# Altium PCB BloopPadMaxx_00.PcbDoc (part 3 of 3)
Units mm, origin at the board's own origin, x right, y up, seen from the top; angles counter-clockwise.
Board outline 209 x 212 mm, 2 copper layers (Top Layer, Bottom Layer), stack 1.571 mm thick; 206 components, 154 nets, 793 pads, 455 vias.
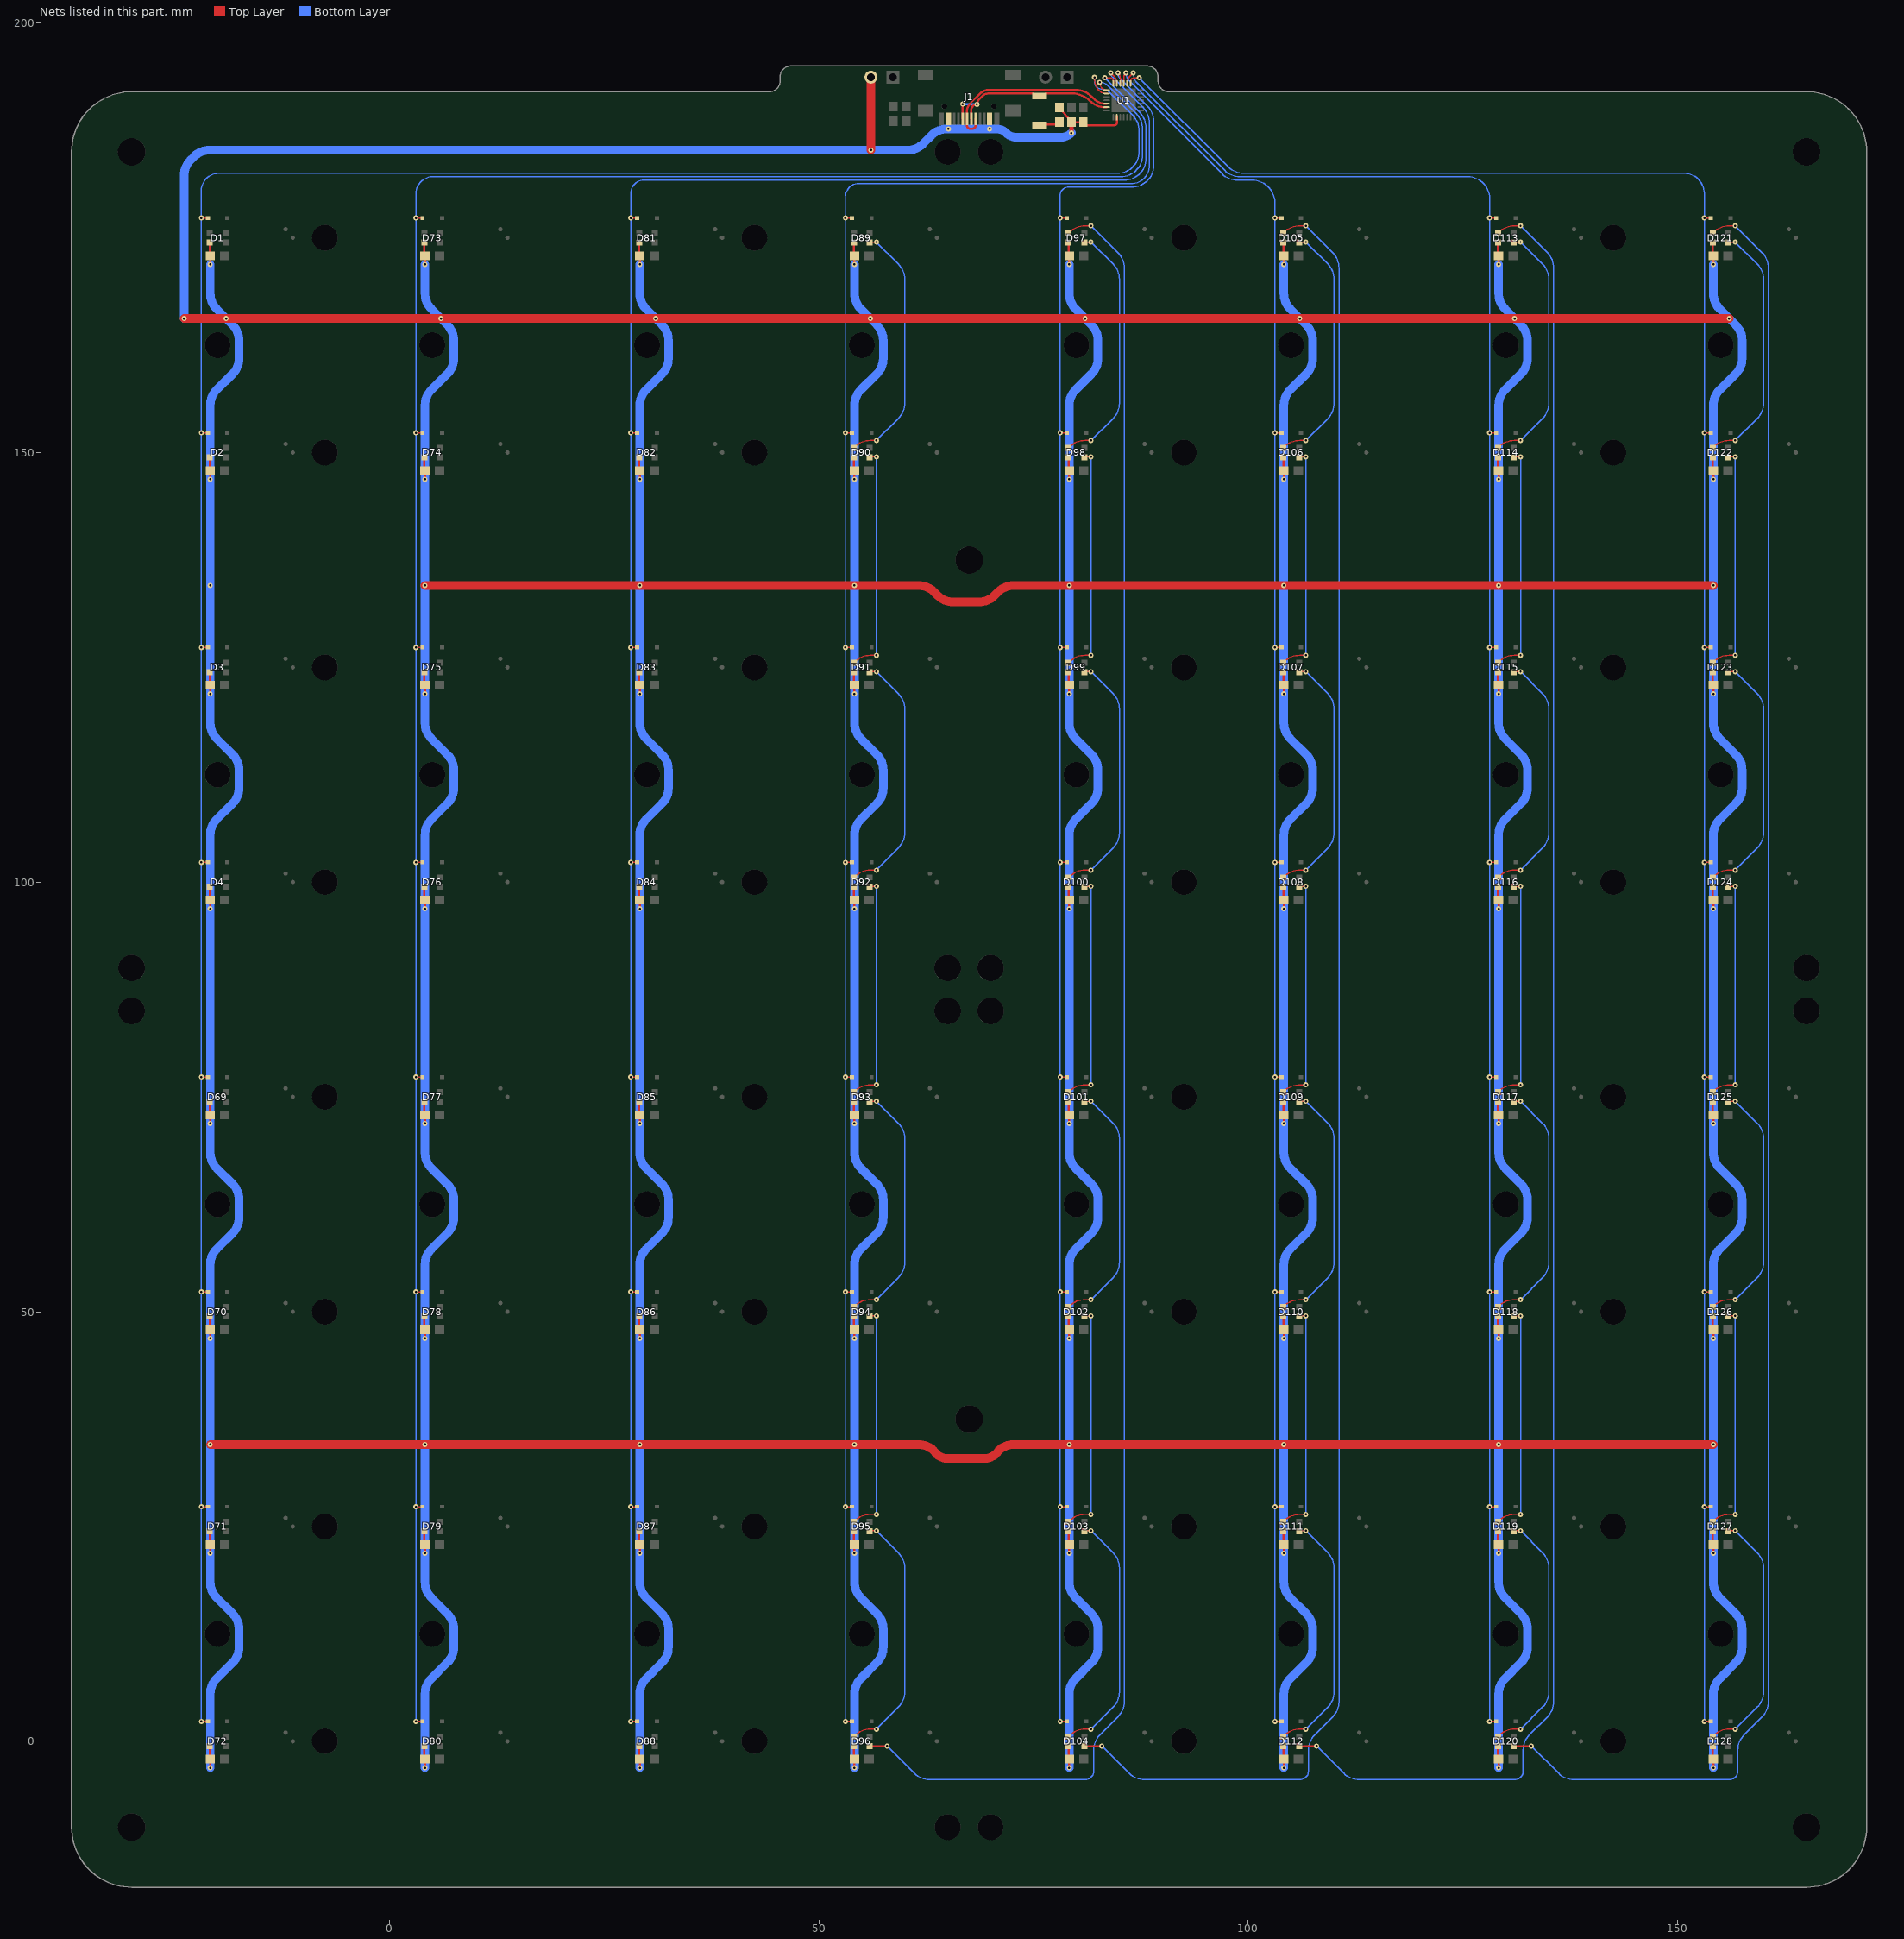
[diagram p3: the nets of this part, all layers, seen from the top]

## Via types
v1: diameter 0.6, hole 0.25, Top Layer to Bottom Layer, 455 vias

## Nets (pads, with @x,y where several pads share a name; then routed paths per layer and width w, separated by ;. In a path a pad name is that pad's centre, name@x,y a point inside that pad or via, vN(x,y) a via of type N, cw(c..) or ccw(c..) an arc to the next point about the centre after c; other vN are vias at no path point) (continued)
NetD89_1: D89.1 D90.3 | length 29.3
  Top Layer w0.15: D90.3@54.085,150.55 54.191,150.656 cw(c55.987,148.86) 55.987,151.4 v1(56.7,151.4) ; D89.1@55.915,174.45 55.965,174.5 v1(56.7,174.5)
  Bottom Layer w0.15: v1(56.7,151.4) 59.256,153.956 ccw(c57.46,155.752) 60,155.752 60,170.148 ccw(c57.46,170.148) 59.256,171.944 v1(56.7,174.5)
NetD90_1: D90.1 D91.3 | length 26.8
  Top Layer w0.15: D91.3@54.085,125.55 54.191,125.656 cw(c55.987,123.86) 55.987,126.4 v1(56.7,126.4) ; D90.1@55.915,149.45 55.965,149.5 v1(56.7,149.5)
  Bottom Layer w0.15: v1(56.7,126.4) v1(56.7,149.5)
NetD91_1: D91.1 D92.3 | length 29.3
  Top Layer w0.15: D92.3@54.085,100.55 54.191,100.656 cw(c55.987,98.86) 55.987,101.4 v1(56.7,101.4) ; D91.1@55.915,124.45 55.965,124.5 v1(56.7,124.5)
  Bottom Layer w0.15: v1(56.7,101.4) 59.256,103.956 ccw(c57.46,105.752) 60,105.752 60,120.148 ccw(c57.46,120.148) 59.256,121.944 v1(56.7,124.5)
NetD92_1: D92.1 D93.3 | length 26.8
  Top Layer w0.15: D93.3@54.085,75.55 54.191,75.656 cw(c55.987,73.86) 55.987,76.4 v1(56.7,76.4) ; D92.1@55.915,99.45 55.965,99.5 v1(56.7,99.5)
  Bottom Layer w0.15: v1(56.7,76.4) v1(56.7,99.5)
NetD93_1: D93.1 D94.3 | length 29.3
  Top Layer w0.15: D94.3@54.085,50.55 54.191,50.656 cw(c55.987,48.86) 55.987,51.4 v1(56.7,51.4) ; D93.1@55.915,74.45 55.965,74.5 v1(56.7,74.5)
  Bottom Layer w0.15: v1(56.7,51.4) 59.256,53.956 ccw(c57.46,55.752) 60,55.752 60,70.148 ccw(c57.46,70.148) 59.256,71.944 v1(56.7,74.5)
NetD94_1: D94.1 D95.3 | length 26.8
  Top Layer w0.15: D95.3@54.085,25.55 54.191,25.656 cw(c55.987,23.86) 55.987,26.4 v1(56.7,26.4) ; D94.1@55.915,49.45 55.965,49.5 v1(56.7,49.5)
  Bottom Layer w0.15: v1(56.7,26.4) v1(56.7,49.5)
NetD95_1: D95.1 D96.3 | length 29.3
  Top Layer w0.15: D96.3@54.085,0.55 54.191,0.656 cw(c55.987,-1.14) 55.987,1.4 v1(56.7,1.4) ; D95.1@55.915,24.45 55.965,24.5 v1(56.7,24.5)
  Bottom Layer w0.15: v1(56.7,1.4) 59.256,3.956 ccw(c57.46,5.752) 60,5.752 60,20.148 ccw(c57.46,20.148) 59.256,21.944 v1(56.7,24.5)
NetD96_1: D96.1 D97.3 | length 216.5
  Top Layer w0.15: D96.1@55.915,-0.55 v1(57.95,-0.55) ; D97.3@79.191,175.656 cw(c80.987,173.86) 80.987,176.4 ; D97.3@79.191,175.656 cw(c80.987,173.86) 80.987,176.4 ; D97.3@79.191,175.656 D97.3@79.085,175.55 D97.3@79.191,175.656 ; 80.987,176.4 v1(81.7,176.4) 80.987,176.4
  Bottom Layer w0.15: v1(57.95,-0.55) 61.122,-3.722 ccw(c62.918,-1.926) 62.918,-4.466 81.034,-4.466 ccw(c81.034,-3.5) 82,-3.5 82,-1.052 cw(c84.54,-1.052) 82.744,0.744 84.816,2.816 ccw(c83.02,4.612) 85.56,4.612 85.56,171.488 ccw(c83.02,171.488) 84.816,173.284 v1(81.7,176.4)
  other v1: 81.7,176.4
NetD97_1: D97.1 D98.3 | length 29.3
  Top Layer w0.15: D98.3@79.085,150.55 79.191,150.656 cw(c80.987,148.86) 80.987,151.4 v1(81.7,151.4) ; D97.1@80.915,174.45 80.965,174.5 v1(81.7,174.5)
  Bottom Layer w0.15: v1(81.7,151.4) 84.256,153.956 ccw(c82.46,155.752) 85,155.752 85,170.148 ccw(c82.46,170.148) 84.256,171.944 v1(81.7,174.5)
NetD98_1: D98.1 D99.3 | length 26.8
  Top Layer w0.15: D99.3@79.085,125.55 79.191,125.656 cw(c80.987,123.86) 80.987,126.4 v1(81.7,126.4) ; D98.1@80.915,149.45 80.965,149.5 v1(81.7,149.5)
  Bottom Layer w0.15: v1(81.7,126.4) v1(81.7,149.5)
NetD99_1: D99.1 D100.3 | length 29.3
  Top Layer w0.15: D100.3@79.085,100.55 79.191,100.656 cw(c80.987,98.86) 80.987,101.4 v1(81.7,101.4) ; D99.1@80.915,124.45 80.965,124.5 v1(81.7,124.5)
  Bottom Layer w0.15: v1(81.7,101.4) 84.256,103.956 ccw(c82.46,105.752) 85,105.752 85,120.148 ccw(c82.46,120.148) 84.256,121.944 v1(81.7,124.5)
NetD100_1: D100.1 D101.3 | length 26.8
  Top Layer w0.15: D101.3@79.085,75.55 79.191,75.656 cw(c80.987,73.86) 80.987,76.4 v1(81.7,76.4) ; D100.1@80.915,99.45 80.965,99.5 v1(81.7,99.5)
  Bottom Layer w0.15: v1(81.7,76.4) v1(81.7,99.5)
NetD101_1: D101.1 D102.3 | length 29.3
  Top Layer w0.15: D102.3@79.085,50.55 79.191,50.656 cw(c80.987,48.86) 80.987,51.4 v1(81.7,51.4) ; D101.1@80.915,74.45 80.965,74.5 v1(81.7,74.5)
  Bottom Layer w0.15: v1(81.7,51.4) 84.256,53.956 ccw(c82.46,55.752) 85,55.752 85,70.148 ccw(c82.46,70.148) 84.256,71.944 v1(81.7,74.5)
NetD102_1: D102.1 D103.3 | length 26.8
  Top Layer w0.15: D103.3@79.085,25.55 79.191,25.656 cw(c80.987,23.86) 80.987,26.4 v1(81.7,26.4) ; D102.1@80.915,49.45 80.965,49.5 v1(81.7,49.5)
  Bottom Layer w0.15: v1(81.7,26.4) v1(81.7,49.5)
NetD103_1: D103.1 D104.3 | length 29.3
  Top Layer w0.15: D104.3@79.085,0.55 79.191,0.656 cw(c80.987,-1.14) 80.987,1.4 v1(81.7,1.4) ; D103.1@80.915,24.45 80.965,24.5 v1(81.7,24.5)
  Bottom Layer w0.15: v1(81.7,1.4) 84.256,3.956 ccw(c82.46,5.752) 85,5.752 85,20.148 ccw(c82.46,20.148) 84.256,21.944 v1(81.7,24.5)
NetD104_1: D104.1 D105.3 | length 216.5
  Top Layer w0.15: D104.1@80.915,-0.55 v1(82.95,-0.55) ; D105.3@104.191,175.656 cw(c105.987,173.86) 105.987,176.4 ; D105.3@104.191,175.656 cw(c105.987,173.86) 105.987,176.4 ; D105.3@104.191,175.656 D105.3@104.085,175.55 D105.3@104.191,175.656 ; 105.987,176.4 v1(106.7,176.4) 105.987,176.4
  Bottom Layer w0.15: v1(82.95,-0.55) 86.122,-3.722 ccw(c87.918,-1.926) 87.918,-4.466 106.034,-4.466 ccw(c106.034,-3.5) 107,-3.5 107,-1.052 cw(c109.54,-1.052) 107.744,0.744 109.816,2.816 ccw(c108.02,4.612) 110.56,4.612 110.56,171.488 ccw(c108.02,171.488) 109.816,173.284 v1(106.7,176.4)
  other v1: 106.7,176.4
NetD105_1: D105.1 D106.3 | length 29.3
  Top Layer w0.15: D106.3@104.085,150.55 104.191,150.656 cw(c105.987,148.86) 105.987,151.4 v1(106.7,151.4) ; D105.1@105.915,174.45 105.965,174.5 v1(106.7,174.5)
  Bottom Layer w0.15: v1(106.7,151.4) 109.256,153.956 ccw(c107.46,155.752) 110,155.752 110,170.148 ccw(c107.46,170.148) 109.256,171.944 v1(106.7,174.5)
NetD106_1: D106.1 D107.3 | length 26.8
  Top Layer w0.15: D107.3@104.085,125.55 104.191,125.656 cw(c105.987,123.86) 105.987,126.4 v1(106.7,126.4) ; D106.1@105.915,149.45 105.965,149.5 v1(106.7,149.5)
  Bottom Layer w0.15: v1(106.7,126.4) v1(106.7,149.5)
NetD107_1: D107.1 D108.3 | length 29.3
  Top Layer w0.15: D108.3@104.085,100.55 104.191,100.656 cw(c105.987,98.86) 105.987,101.4 v1(106.7,101.4) ; D107.1@105.915,124.45 105.965,124.5 v1(106.7,124.5)
  Bottom Layer w0.15: v1(106.7,101.4) 109.256,103.956 ccw(c107.46,105.752) 110,105.752 110,120.148 ccw(c107.46,120.148) 109.256,121.944 v1(106.7,124.5)
NetD108_1: D108.1 D109.3 | length 26.8
  Top Layer w0.15: D109.3@104.085,75.55 104.191,75.656 cw(c105.987,73.86) 105.987,76.4 v1(106.7,76.4) ; D108.1@105.915,99.45 105.965,99.5 v1(106.7,99.5)
  Bottom Layer w0.15: v1(106.7,76.4) v1(106.7,99.5)
NetD109_1: D109.1 D110.3 | length 29.3
  Top Layer w0.15: D110.3@104.085,50.55 104.191,50.656 cw(c105.987,48.86) 105.987,51.4 v1(106.7,51.4) ; D109.1@105.915,74.45 105.965,74.5 v1(106.7,74.5)
  Bottom Layer w0.15: v1(106.7,51.4) 109.256,53.956 ccw(c107.46,55.752) 110,55.752 110,70.148 ccw(c107.46,70.148) 109.256,71.944 v1(106.7,74.5)
NetD110_1: D110.1 D111.3 | length 26.8
  Top Layer w0.15: D111.3@104.085,25.55 104.191,25.656 cw(c105.987,23.86) 105.987,26.4 v1(106.7,26.4) ; D110.1@105.915,49.45 105.965,49.5 v1(106.7,49.5)
  Bottom Layer w0.15: v1(106.7,26.4) v1(106.7,49.5)
NetD111_1: D111.1 D112.3 | length 29.3
  Top Layer w0.15: D112.3@104.085,0.55 104.191,0.656 cw(c105.987,-1.14) 105.987,1.4 v1(106.7,1.4) ; D111.1@105.915,24.45 105.965,24.5 v1(106.7,24.5)
  Bottom Layer w0.15: v1(106.7,1.4) 109.256,3.956 ccw(c107.46,5.752) 110,5.752 110,20.148 ccw(c107.46,20.148) 109.256,21.944 v1(106.7,24.5)
NetD112_1: D112.1 D113.3 | length 216.5
  Top Layer w0.15: D112.1@105.915,-0.55 v1(107.95,-0.55) ; D113.3@129.191,175.656 cw(c130.987,173.86) 130.987,176.4 ; D113.3@129.191,175.656 cw(c130.987,173.86) 130.987,176.4 ; D113.3@129.191,175.656 D113.3@129.085,175.55 D113.3@129.191,175.656 ; 130.987,176.4 v1(131.7,176.4) 130.987,176.4
  Bottom Layer w0.15: v1(107.95,-0.55) 111.122,-3.722 ccw(c112.918,-1.926) 112.918,-4.466 131.034,-4.466 ccw(c131.034,-3.5) 132,-3.5 132,-1.052 cw(c134.54,-1.052) 132.744,0.744 134.816,2.816 ccw(c133.02,4.612) 135.56,4.612 135.56,171.488 ccw(c133.02,171.488) 134.816,173.284 v1(131.7,176.4)
  other v1: 131.7,176.4
NetD113_1: D113.1 D114.3 | length 29.3
  Top Layer w0.15: D114.3@129.085,150.55 129.191,150.656 cw(c130.987,148.86) 130.987,151.4 v1(131.7,151.4) ; D113.1@130.915,174.45 130.965,174.5 v1(131.7,174.5)
  Bottom Layer w0.15: v1(131.7,151.4) 134.256,153.956 ccw(c132.46,155.752) 135,155.752 135,170.148 ccw(c132.46,170.148) 134.256,171.944 v1(131.7,174.5)
NetD114_1: D114.1 D115.3 | length 26.8
  Top Layer w0.15: D115.3@129.085,125.55 129.191,125.656 cw(c130.987,123.86) 130.987,126.4 v1(131.7,126.4) ; D114.1@130.915,149.45 130.965,149.5 v1(131.7,149.5)
  Bottom Layer w0.15: v1(131.7,126.4) v1(131.7,149.5)
NetD115_1: D115.1 D116.3 | length 29.3
  Top Layer w0.15: D116.3@129.085,100.55 129.191,100.656 cw(c130.987,98.86) 130.987,101.4 v1(131.7,101.4) ; D115.1@130.915,124.45 130.965,124.5 v1(131.7,124.5)
  Bottom Layer w0.15: v1(131.7,101.4) 134.256,103.956 ccw(c132.46,105.752) 135,105.752 135,120.148 ccw(c132.46,120.148) 134.256,121.944 v1(131.7,124.5)
NetD116_1: D116.1 D117.3 | length 26.8
  Top Layer w0.15: D117.3@129.085,75.55 129.191,75.656 cw(c130.987,73.86) 130.987,76.4 v1(131.7,76.4) ; D116.1@130.915,99.45 130.965,99.5 v1(131.7,99.5)
  Bottom Layer w0.15: v1(131.7,76.4) v1(131.7,99.5)
NetD117_1: D117.1 D118.3 | length 29.3
  Top Layer w0.15: D118.3@129.085,50.55 129.191,50.656 cw(c130.987,48.86) 130.987,51.4 v1(131.7,51.4) ; D117.1@130.915,74.45 130.965,74.5 v1(131.7,74.5)
  Bottom Layer w0.15: v1(131.7,51.4) 134.256,53.956 ccw(c132.46,55.752) 135,55.752 135,70.148 ccw(c132.46,70.148) 134.256,71.944 v1(131.7,74.5)
NetD118_1: D118.1 D119.3 | length 26.8
  Top Layer w0.15: D119.3@129.085,25.55 129.191,25.656 cw(c130.987,23.86) 130.987,26.4 v1(131.7,26.4) ; D118.1@130.915,49.45 130.965,49.5 v1(131.7,49.5)
  Bottom Layer w0.15: v1(131.7,26.4) v1(131.7,49.5)
NetD119_1: D119.1 D120.3 | length 29.3
  Top Layer w0.15: D120.3@129.085,0.55 129.191,0.656 cw(c130.987,-1.14) 130.987,1.4 v1(131.7,1.4) ; D119.1@130.915,24.45 130.965,24.5 v1(131.7,24.5)
  Bottom Layer w0.15: v1(131.7,1.4) 134.256,3.956 ccw(c132.46,5.752) 135,5.752 135,20.148 ccw(c132.46,20.148) 134.256,21.944 v1(131.7,24.5)
NetD120_1: D120.1 D121.3 | length 216.5
  Top Layer w0.15: D120.1@130.915,-0.55 v1(132.95,-0.55) ; D121.3@154.191,175.656 cw(c155.987,173.86) 155.987,176.4 ; D121.3@154.191,175.656 cw(c155.987,173.86) 155.987,176.4 ; D121.3@154.191,175.656 D121.3@154.085,175.55 D121.3@154.191,175.656 ; 155.987,176.4 v1(156.7,176.4) 155.987,176.4
  Bottom Layer w0.15: v1(132.95,-0.55) 136.122,-3.722 ccw(c137.918,-1.926) 137.918,-4.466 156.034,-4.466 ccw(c156.034,-3.5) 157,-3.5 157,-1.052 cw(c159.54,-1.052) 157.744,0.744 159.816,2.816 ccw(c158.02,4.612) 160.56,4.612 160.56,171.488 ccw(c158.02,171.488) 159.816,173.284 v1(156.7,176.4)
  other v1: 156.7,176.4
NetD121_1: D121.1 D122.3 | length 29.3
  Top Layer w0.15: D122.3@154.085,150.55 154.191,150.656 cw(c155.987,148.86) 155.987,151.4 v1(156.7,151.4) ; D121.1@155.915,174.45 155.965,174.5 v1(156.7,174.5)
  Bottom Layer w0.15: v1(156.7,151.4) 159.256,153.956 ccw(c157.46,155.752) 160,155.752 160,170.148 ccw(c157.46,170.148) 159.256,171.944 v1(156.7,174.5)
NetD122_1: D122.1 D123.3 | length 26.8
  Top Layer w0.15: D123.3@154.085,125.55 154.191,125.656 cw(c155.987,123.86) 155.987,126.4 v1(156.7,126.4) ; D122.1@155.915,149.45 155.965,149.5 v1(156.7,149.5)
  Bottom Layer w0.15: v1(156.7,126.4) v1(156.7,149.5)
NetD123_1: D123.1 D124.3 | length 29.3
  Top Layer w0.15: D124.3@154.085,100.55 154.191,100.656 cw(c155.987,98.86) 155.987,101.4 v1(156.7,101.4) ; D123.1@155.915,124.45 155.965,124.5 v1(156.7,124.5)
  Bottom Layer w0.15: v1(156.7,101.4) 159.256,103.956 ccw(c157.46,105.752) 160,105.752 160,120.148 ccw(c157.46,120.148) 159.256,121.944 v1(156.7,124.5)
NetD124_1: D124.1 D125.3 | length 26.8
  Top Layer w0.15: D125.3@154.085,75.55 154.191,75.656 cw(c155.987,73.86) 155.987,76.4 v1(156.7,76.4) ; D124.1@155.915,99.45 155.965,99.5 v1(156.7,99.5)
  Bottom Layer w0.15: v1(156.7,76.4) v1(156.7,99.5)
NetD125_1: D125.1 D126.3 | length 29.3
  Top Layer w0.15: D126.3@154.085,50.55 154.191,50.656 cw(c155.987,48.86) 155.987,51.4 v1(156.7,51.4) ; D125.1@155.915,74.45 155.965,74.5 v1(156.7,74.5)
  Bottom Layer w0.15: v1(156.7,51.4) 159.256,53.956 ccw(c157.46,55.752) 160,55.752 160,70.148 ccw(c157.46,70.148) 159.256,71.944 v1(156.7,74.5)
NetD126_1: D126.1 D127.3 | length 26.8
  Top Layer w0.15: D127.3@154.085,25.55 154.191,25.656 cw(c155.987,23.86) 155.987,26.4 v1(156.7,26.4) ; D126.1@155.915,49.45 155.965,49.5 v1(156.7,49.5)
  Bottom Layer w0.15: v1(156.7,26.4) v1(156.7,49.5)
NetD127_1: D127.1 D128.3 | length 29.3
  Top Layer w0.15: D128.3@154.085,0.55 154.191,0.656 cw(c155.987,-1.14) 155.987,1.4 v1(156.7,1.4) ; D127.1@155.915,24.45 155.965,24.5 v1(156.7,24.5)
  Bottom Layer w0.15: v1(156.7,1.4) 159.256,3.956 ccw(c157.46,5.752) 160,5.752 160,20.148 ccw(c157.46,20.148) 159.256,21.944 v1(156.7,24.5)
NetR1_2: R1.2 SW1.1 | length 2.6
  Top Layer w0.25: SW1.1@75.7,188.1 75.8,188.2 78,188.2 R1.2@78,188.45
ROW0: D17.A D18.A D33.A D34.A D49.A D50.A D65.A D66.A U1.23 | length 309.9
  Top Layer w0.15: v1(-21.9,2.3) D66.A@-21.14,2.3 ; v1(-21.9,27.3) D50.A@-21.14,27.3 ; v1(-21.9,52.3) D34.A@-21.14,52.3 ; v1(-21.9,77.3) D18.A@-21.14,77.3 ; v1(-21.9,102.3) D65.A@-21.14,102.3 ; v1(-21.9,127.3) D49.A@-21.14,127.3 ; v1(-21.9,152.3) D33.A@-21.14,152.3 ; v1(-21.9,177.3) D17.A@-21.14,177.3 ; v1(82.1,193.679) 82.1,193.469 ccw(c84.041,193.469) 82.669,192.096 ccw(c83.384,192.811) 83.384,191.8 U1.23@83.525,191.8 U1.23@83.6,191.8
  Bottom Layer w0.15: v1(-21.9,2.3) v1(-21.9,27.3) v1(-21.9,52.3) v1(-21.9,77.3) v1(-21.9,102.3) v1(-21.9,127.3) v1(-21.9,152.3) v1(-21.9,177.3) -21.9,180.46 cw(c-19.86,180.46) -19.86,182.5 84.76,182.5 ccw(c84.76,185.04) 87.3,185.04 87.3,187.448 ccw(c84.76,187.448) 86.556,189.244 84.325,191.475 83.936,191.864 ccw(c82.826,190.753) 82.826,192.323 cw(c82.826,192.926) 82.4,192.5 cw(c83.124,193.224) 82.1,193.224 v1(82.1,193.679)
ROW1: D13.A D14.A D29.A D30.A D45.A D46.A D61.A D62.A U1.22 | length 283.3
  Top Layer w0.15: v1(3.1,2.3) D62.A@3.86,2.3 ; v1(3.1,27.3) D46.A@3.86,27.3 ; v1(3.1,52.3) D30.A@3.86,52.3 ; v1(3.1,77.3) D14.A@3.86,77.3 ; v1(3.1,102.3) D61.A@3.86,102.3 ; v1(3.1,127.3) D45.A@3.86,127.3 ; v1(3.1,152.3) D29.A@3.86,152.3 ; v1(3.1,177.3) D13.A@3.86,177.3 ; v1(82.7,193.1) 82.7,193.003 ccw(c83.487,193.003) 82.93,192.446 ccw(c83.525,193.041) U1.22@83.525,192.2
  Bottom Layer w0.15: v1(3.1,2.3) v1(3.1,27.3) v1(3.1,52.3) v1(3.1,77.3) v1(3.1,102.3) v1(3.1,127.3) v1(3.1,152.3) v1(3.1,177.3) 3.1,180.16 cw(c5.04,180.16) 5.04,182.1 85.16,182.1 ccw(c85.16,184.64) 87.7,184.64 87.7,187.648 ccw(c85.16,187.648) 86.956,189.444 83.983,192.417 83.724,192.676 ccw(c82.7,191.651) v1@82.804,193.096 ; v1@82.804,193.096 ccw(c82.7,191.651) v1(82.7,193.1) 82.8,193.1 v1@82.804,193.096
ROW2: D9.A D10.A D25.A D26.A D41.A D42.A D57.A D58.A U1.21 | length 259
  Top Layer w0.15: v1(28.1,2.3) D58.A@28.86,2.3 ; v1(28.1,27.3) D42.A@28.86,27.3 ; v1(28.1,52.3) D26.A@28.86,52.3 ; v1(28.1,77.3) D10.A@28.86,77.3 ; v1(28.1,102.3) D57.A@28.86,102.3 ; v1(28.1,127.3) D41.A@28.86,127.3 ; v1(28.1,152.3) D25.A@28.86,152.3 ; v1(28.1,177.3) D9.A@28.86,177.3 ; v1(83.297,193.631) 83.853,193.631 cw(c83.853,193.184) 84.3,193.184 U1.21@84.3,192.975
  Bottom Layer w0.15: v1(28.1,2.3) v1(28.1,27.3) v1(28.1,52.3) v1(28.1,77.3) v1(28.1,102.3) v1(28.1,127.3) v1(28.1,152.3) v1(28.1,177.3) 28.1,180.16 cw(c29.64,180.16) 29.64,181.7 85.56,181.7 ccw(c85.56,184.24) 88.1,184.24 88.1,187.775 ccw(c85.56,187.775) 87.356,189.571 v1(83.297,193.631)
ROW3: D5.A D6.A D21.A D22.A D37.A D38.A D53.A D54.A U1.20 | length 235
  Top Layer w0.15: v1(53.1,2.3) D54.A@53.86,2.3 ; v1(53.1,27.3) D38.A@53.86,27.3 ; v1(53.1,52.3) D22.A@53.86,52.3 ; v1(53.1,77.3) D6.A@53.86,77.3 ; v1(53.1,102.3) D53.A@53.86,102.3 ; v1(53.1,127.3) D37.A@53.86,127.3 ; v1(53.1,152.3) D21.A@53.86,152.3 ; v1(53.1,177.3) D5.A@53.86,177.3 ; v1(84,194.2) 84.329,193.871 cw(c83.433,192.975) U1.20@84.7,192.975
  Bottom Layer w0.15: v1(53.1,2.3) v1(53.1,27.3) v1(53.1,52.3) v1(53.1,77.3) v1(53.1,102.3) v1(53.1,127.3) v1(53.1,152.3) v1(53.1,177.3) 53.1,179.76 cw(c54.64,179.76) 54.64,181.3 86.36,181.3 ccw(c86.36,183.44) 88.5,183.44 88.5,188.348 ccw(c85.96,188.348) 87.756,190.144 84.212,193.688 cw(c84.724,194.2) v1(84,194.2)
ROW4: D19.A D20.A D35.A D36.A D51.A D52.A D67.A D68.A U1.19 | length 210.2
  Top Layer w0.15: v1(78.1,2.3) D68.A@78.86,2.3 ; v1(78.1,27.3) D52.A@78.86,27.3 ; v1(78.1,52.3) D36.A@78.86,52.3 ; v1(78.1,77.3) D20.A@78.86,77.3 ; v1(78.1,102.3) D67.A@78.86,102.3 ; v1(78.1,127.3) D51.A@78.86,127.3 ; v1(78.1,152.3) D35.A@78.86,152.3 ; v1(78.1,177.3) D19.A@78.86,177.3 ; v1(84.839,194.196) cw(c84.208,193.566) 85.1,193.566 U1.19@85.1,192.975
  Bottom Layer w0.15: v1(78.1,2.3) v1(78.1,27.3) v1(78.1,52.3) v1(78.1,77.3) v1(78.1,102.3) v1(78.1,127.3) v1(78.1,152.3) v1(78.1,177.3) 78.1,179.9 cw(c79.1,179.9) 79.1,180.9 86.46,180.9 ccw(c86.46,183.44) 89,183.44 89,188.548 ccw(c86.46,188.548) 88.256,190.344 85.146,193.454 cw(c85.889,194.196) v1(84.839,194.196)
ROW5: D15.A D16.A D31.A D32.A D47.A D48.A D63.A D64.A U1.18 | length 208.3
  Top Layer w0.15: U1.18@85.5,192.975 85.5,193.566 cw(c86.392,193.566) v1(85.761,194.196) ; v1(103.1,2.3) D64.A@103.86,2.3 ; v1(103.1,27.3) D48.A@103.86,27.3 ; v1(103.1,52.3) D32.A@103.86,52.3 ; v1(103.1,77.3) D16.A@103.86,77.3 ; v1(103.1,102.3) D63.A@103.86,102.3 ; v1(103.1,127.3) D47.A@103.86,127.3 ; v1(103.1,152.3) D31.A@103.86,152.3 ; v1(103.1,177.3) D15.A@103.86,177.3